# Altium PCB PCB.PcbDoc (part 3 of 10)
Units mil, origin at the board's own origin, x right, y up, seen from the top; angles counter-clockwise.
Board outline 3945.89 x 2165.35 mil, 8 copper layers (Component Side, PWR, Signal 1, Signal 2, GND1, Signal 3, GND2, Solder Side), stack 68.504 mil thick; 329 components, 323 nets, 1378 pads, 692 vias.
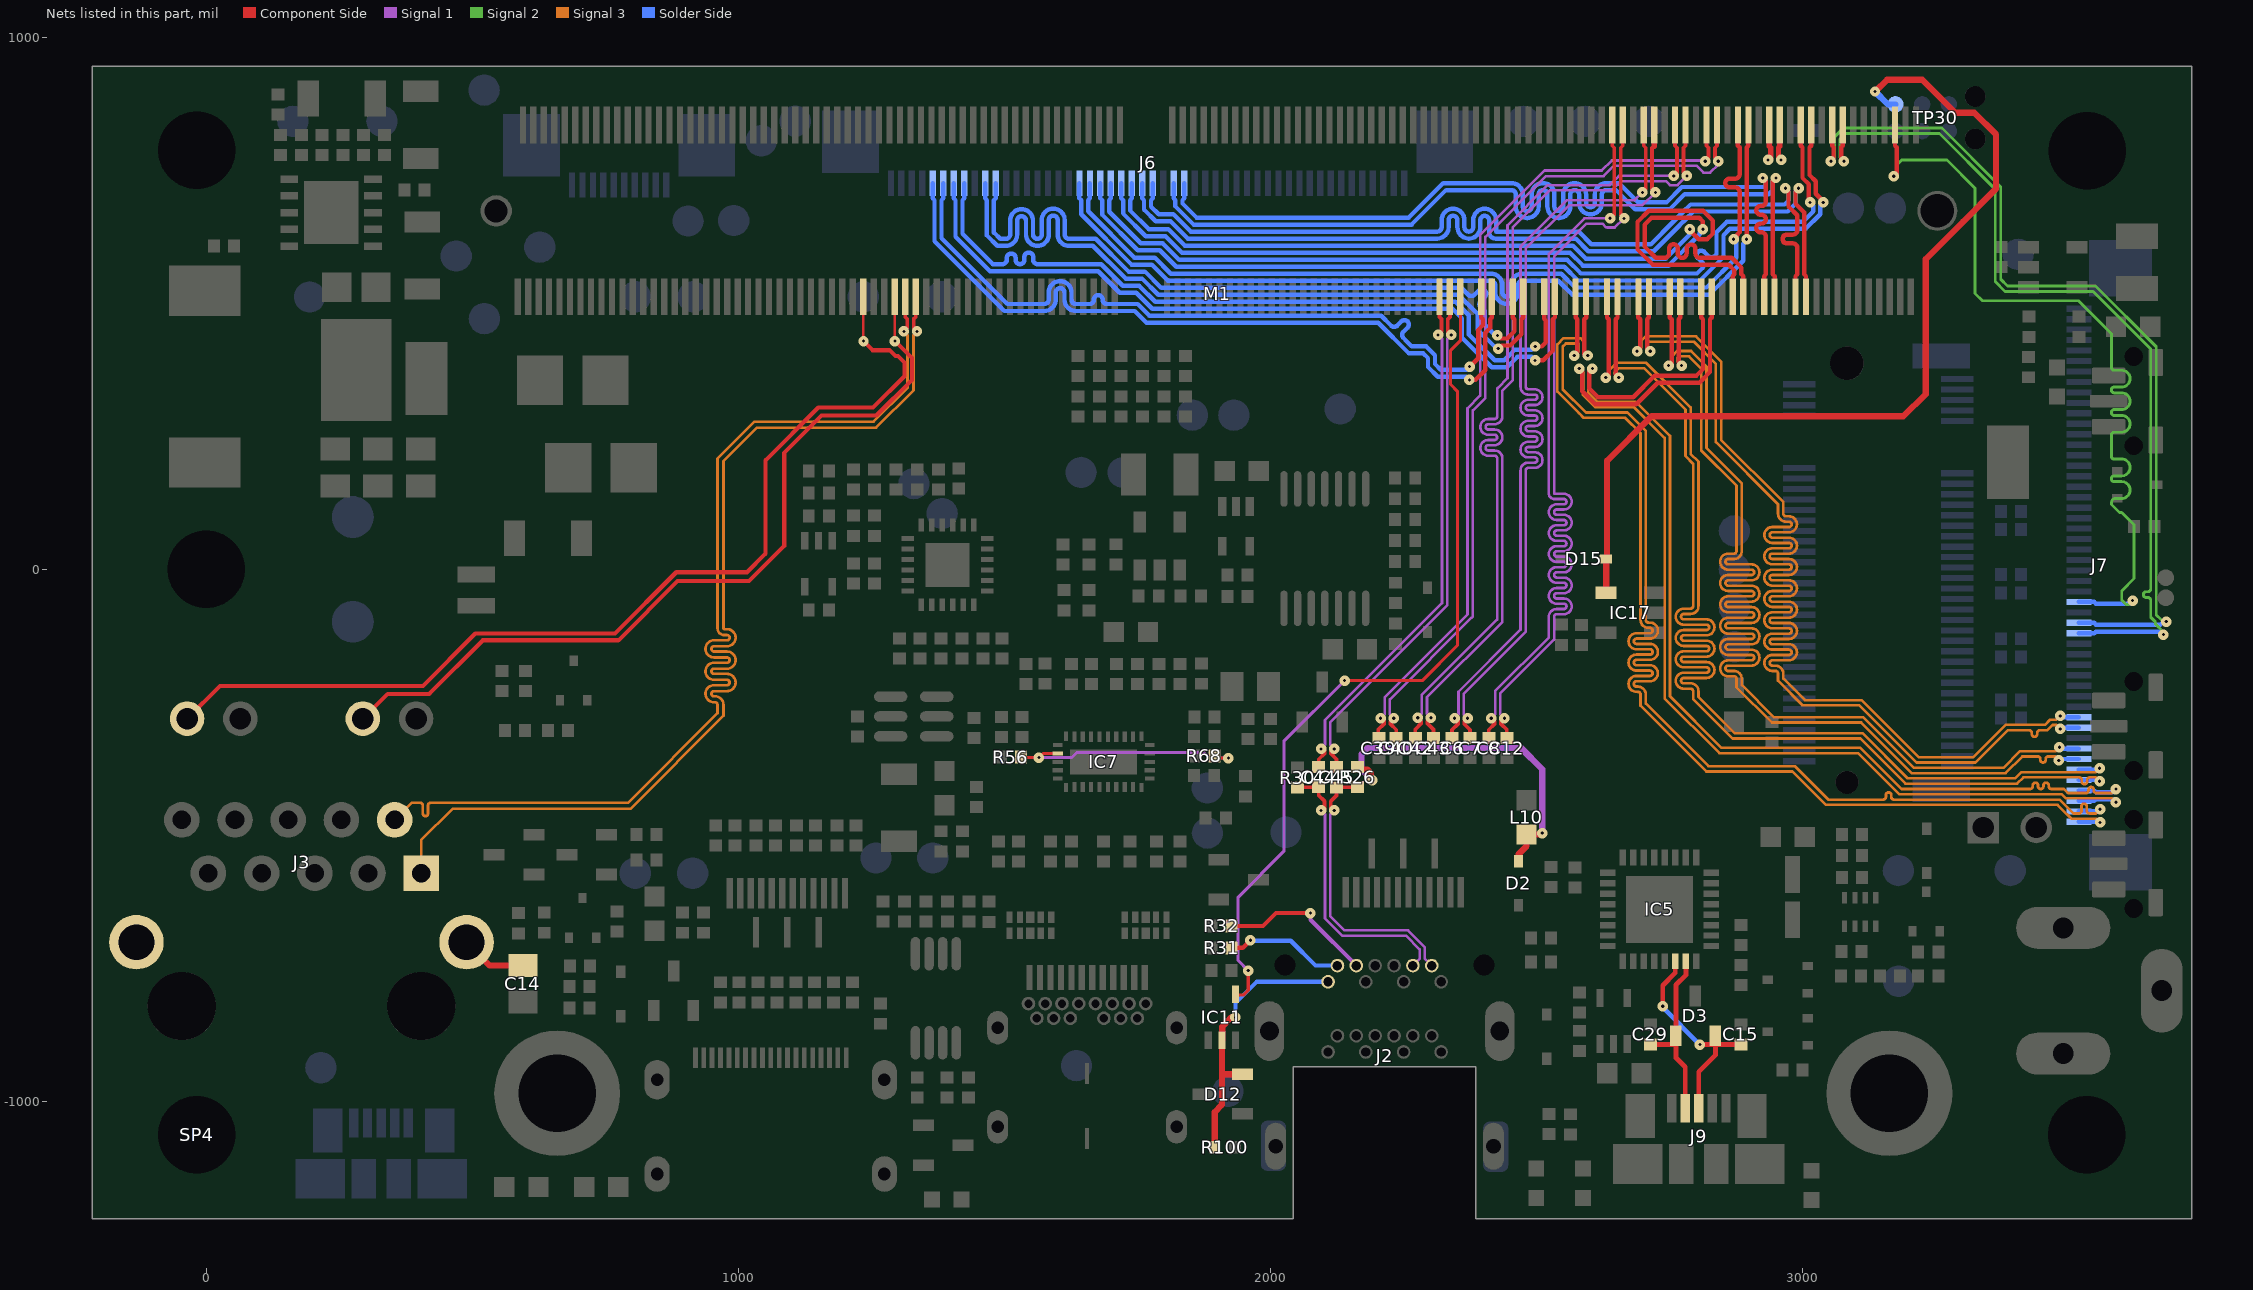
[diagram p9: the nets of this part, all layers, seen from the top]

## Via types
v1: diameter 19.68, hole 5.91, Component Side to Solder Side, 599 vias
v2: diameter 23.62, hole 9.84, Component Side to Solder Side, 90 vias
v3: diameter 19.68, hole 7.87, Component Side to Solder Side, 3 vias

## Nets (pads, with @x,y where several pads share a name; then routed paths per layer and width w, separated by ;. In a path a pad name is that pad's centre, name@x,y a point inside that pad or via, vN(x,y) a via of type N, cw(c..) or ccw(c..) an arc to the next point about the centre after c; other vN are vias at no path point) (continued)
CSI_B_D0_P: J7.22 M1.5 | length 1702.3
  Component Side w8.27: v1(3171.51,738.87) 3177.22,744.58 3177.22,793.01 3173.97,796.25 M1.5@3173.97,835.12
  Signal 2 w5.43: v1(3171.51,738.87) 3178.63,746 3178.63,761.45 3186.57,769.39 3271.55,769.39 3324.49,716.45 3324.49,518.66 3338.32,504.83 3518.46,504.83 3580.47,442.81 3580.47,379.73 ccw(c3585.91,379.73) 3585.91,374.29 3599.89,374.29 cw(c3599.89,358.51) 3615.68,358.51 cw(c3599.89,358.51) 3599.89,342.72 3585.91,342.72 ccw(c3585.91,337.29) 3580.47,337.29 ccw(c3585.91,337.29) 3585.91,331.85 3599.89,331.85 cw(c3599.89,316.07) 3615.68,316.07 cw(c3599.89,316.07) 3599.89,300.28 3585.91,300.28 ccw(c3585.91,294.84) 3580.47,294.84 ccw(c3585.91,294.84) 3585.91,289.41 3599.89,289.41 cw(c3599.89,273.62) 3615.68,273.62 cw(c3599.89,273.62) 3599.89,257.84 3585.91,257.84 ccw(c3585.91,252.4) 3580.47,252.4 3580.47,212.8 ccw(c3585.91,212.8) 3585.91,207.36 3599.89,207.36 cw(c3599.89,191.58) 3615.68,191.58 cw(c3599.89,191.58) 3599.89,175.79 3585.91,175.79 ccw(c3585.91,170.36) 3580.47,170.36 ccw(c3585.91,170.36) 3585.91,164.92 3599.89,164.92 cw(c3599.89,149.14) 3615.68,149.14 cw(c3599.89,149.14) 3599.89,133.35 3588.42,133.35 ccw(c3588.42,125.77) 3580.84,125.77 3580.84,122.18 3596.06,106.95 3599.85,106.95 3623,83.8 3623,-17.4 3600,-40.4 3600,-57.39 3608.42,-65.8 3613.25,-65.8 v1(3620.38,-58.68)
  Solder Side w8.27: J7.22@3519.48,-61.14 3548.22,-61.14 3551.46,-64.39 3614.67,-64.39 v1(3620.38,-58.68)
CSI_B_D1_N: J7.19 M1.15 | length 1701.2
  Component Side w8.27: M1.15@3075.54,835.12 3075.54,796.25 3073.12,793.83 3073.12,771.86 v1(3078,766.98)
  Signal 2 w5.43: v1(3078,766.98) 3070.88,774.1 3070.88,808.92 3080.92,818.96 3257.75,818.96 3362.3,714.41 3362.3,540.84 3380.8,522.35 3546.29,522.35 3654.59,414.04 3654.59,-25.65 3654.59,-31.08 3654.59,-36.51 cw(c3649.16,-36.51) 3649.16,-41.95 3646.01,-41.95 ccw(c3646.01,-47.38) 3640.57,-47.38 ccw(c3646.01,-47.38) 3646.01,-52.81 3649.16,-52.81 cw(c3649.16,-58.25) 3654.59,-58.25 3654.59,-90.05 3663.01,-98.47 3663.01,-102.14 3678.35,-117.48 v1(3678.35,-122.65)
  Solder Side w8.27: J7.19@3519.48,-120.19 3548.22,-120.19 3551.46,-116.94 3672.64,-116.94 v1(3678.35,-122.65)
CSI_B_D1_P: J7.20 M1.17 | length 1701.2
  Component Side w8.27: v1(3053.4,766.98) 3058.28,771.86 3058.28,793.83 3055.86,796.25 M1.17@3055.86,835.12
  Signal 2 w5.43: v1(3053.4,766.98) 3060.52,774.1 3060.52,813.21 3076.63,829.32 3262.04,829.32 3372.66,718.7 3372.66,545.13 3385.09,532.7 3550.58,532.7 3664.95,418.33 3664.95,-85.76 3674.59,-95.4 3681,-95.4 v1(3683.6,-98)
  Solder Side w8.27: J7.20@3519.48,-100.51 3548.22,-100.51 3551.46,-103.76 3672.64,-103.76 3681,-95.4 v1(3683.6,-98)
CSI_C_CLK_N: J7.10 M1.52 | length 2183.6
  Component Side w8.27: M1.52@2711.37,512.29 2711.37,473.25 2708.12,470.01 2708.12,415.67 v1(2713.83,409.96)
  Signal 3 w5.04: v1(2713.83,409.96) 2706.51,417.28 2706.51,425.13 2709.28,427.91 2795.68,427.91 2837.19,386.4 2837.19,239.3 2954.04,122.46 2954.04,104.76 ccw(c2969.04,104.76) 2969.04,89.76 2974.59,89.76 cw(c2974.59,84.72) 2979.63,84.72 cw(c2974.59,84.72) 2974.59,79.68 2943.45,79.68 ccw(c2943.45,64.68) 2928.45,64.68 ; 2928.45,64.68 ccw(c2943.45,64.68) 2943.45,49.68 2974.59,49.68 cw(c2974.59,44.64) 2979.63,44.64 cw(c2974.59,44.64) 2974.59,39.6 2943.45,39.6 ccw(c2943.45,24.6) 2928.45,24.6 ccw(c2943.45,24.6) 2943.45,9.6 2974.59,9.6 cw(c2974.59,4.56) 2979.63,4.56 cw(c2974.59,4.56) 2974.59,-0.48 2943.45,-0.48 ccw(c2943.45,-15.48) 2928.45,-15.48 ccw(c2943.45,-15.48) 2943.45,-30.48 2974.59,-30.48 cw(c2974.59,-35.52) 2979.63,-35.52 cw(c2974.59,-35.52) 2974.59,-40.56 2943.45,-40.56 ccw(c2943.45,-55.56) 2928.45,-55.56 ccw(c2943.45,-55.56) 2943.45,-70.56 2974.59,-70.56 cw(c2974.59,-75.6) 2979.63,-75.6 cw(c2974.59,-75.6) 2974.59,-80.64 2943.45,-80.64 ccw(c2943.45,-95.64) 2928.45,-95.64 ccw(c2943.45,-95.64) 2943.45,-110.64 2974.59,-110.64 cw(c2974.59,-115.68) 2979.63,-115.68 cw(c2974.59,-115.68) 2974.59,-120.72 2943.45,-120.72 ccw(c2943.45,-135.72) 2928.45,-135.72 ccw(c2943.45,-135.72) 2943.45,-150.72 2974.59,-150.72 cw(c2974.59,-155.76) 2979.63,-155.76 cw(c2974.59,-155.76) 2974.59,-160.79 2943.45,-160.79 ccw(c2943.45,-175.79) 2928.45,-175.79 ccw(c2943.45,-175.79) 2943.45,-190.79 2949,-190.79 cw(c2949,-195.83) 2954.04,-195.83 2954.04,-209.17 3000.49,-255.62 3106.87,-255.62 3214.19,-362.94 3325.12,-362.94 3385.89,-302.16 3425.94,-302.16 cw(c3425.94,-307.2) 3430.98,-307.2 3430.98,-309.7 ccw(c3436.02,-309.7) 3436.02,-314.74 ccw(c3436.02,-309.7) 3441.06,-309.7 3441.06,-307.2 cw(c3446.1,-307.2) 3446.1,-302.16 3460.1,-302.16 3469.77,-292.5 3477.16,-292.5 v1(3484.49,-299.82)
  Solder Side w8.27: v1(3484.49,-299.82) 3486.94,-297.36 J7.10@3519.48,-297.36
CSI_C_CLK_P: J7.11 M1.54 | length 2183.6
  Component Side w8.27: v1(2689.22,409.96) 2694.93,415.67 2694.93,470.01 2691.68,473.25 M1.54@2691.68,512.29
  Signal 3 w5.04: v1(2689.22,409.96) 2696.54,417.28 2696.54,429.25 2705.16,437.87 2799.81,437.87 2847.15,390.52 2847.15,243.43 2964,126.59 2964,104.76 ccw(c2969.04,104.76) 2969.04,99.72 2974.59,99.72 cw(c2974.59,84.72) 2989.59,84.72 cw(c2974.59,84.72) 2974.59,69.72 2943.45,69.72 ccw(c2943.45,64.68) 2938.41,64.68 ; 2938.41,64.68 ccw(c2943.45,64.68) 2943.45,59.64 2974.59,59.64 cw(c2974.59,44.64) 2989.59,44.64 cw(c2974.59,44.64) 2974.59,29.64 2943.45,29.64 ccw(c2943.45,24.6) 2938.41,24.6 ccw(c2943.45,24.6) 2943.45,19.56 2974.59,19.56 cw(c2974.59,4.56) 2989.59,4.56 cw(c2974.59,4.56) 2974.59,-10.44 2943.45,-10.44 ccw(c2943.45,-15.48) 2938.41,-15.48 ccw(c2943.45,-15.48) 2943.45,-20.52 2974.59,-20.52 cw(c2974.59,-35.52) 2989.59,-35.52 cw(c2974.59,-35.52) 2974.59,-50.52 2943.45,-50.52 ccw(c2943.45,-55.56) 2938.41,-55.56 ccw(c2943.45,-55.56) 2943.45,-60.6 2974.59,-60.6 cw(c2974.59,-75.6) 2989.59,-75.6 cw(c2974.59,-75.6) 2974.59,-90.6 2943.45,-90.6 ccw(c2943.45,-95.64) 2938.41,-95.64 ccw(c2943.45,-95.64) 2943.45,-100.68 2974.59,-100.68 cw(c2974.59,-115.68) 2989.59,-115.68 cw(c2974.59,-115.68) 2974.59,-130.68 2943.45,-130.68 ccw(c2943.45,-135.72) 2938.41,-135.72 ccw(c2943.45,-135.72) 2943.45,-140.76 2974.59,-140.76 cw(c2974.59,-155.76) 2989.59,-155.76 cw(c2974.59,-155.76) 2974.59,-170.76 2943.45,-170.76 ccw(c2943.45,-175.79) 2938.41,-175.79 ccw(c2943.45,-175.79) 2943.45,-180.83 2949,-180.83 cw(c2949,-195.83) 2964,-195.83 2964,-205.05 3004.61,-245.66 3111,-245.66 3218.31,-352.98 3320.99,-352.98 3381.77,-292.2 3455.98,-292.2 3465.64,-282.53 3477.16,-282.53 v1(3484.49,-275.21)
  Solder Side w8.27: v1(3484.49,-275.21) 3486.94,-277.67 J7.11@3519.48,-277.67
CSI_C_D0_N: J7.7 M1.46 | length 2172.4
  Component Side w8.27: M1.46@2770.42,512.29 2770.42,473.25 2767.17,470.01 2767.17,388.78 v1(2772.88,383.07)
  Signal 3 w5.04: v1(2772.88,383.07) 2765.56,390.39 2765.56,397.28 2768.65,400.37 2786.62,400.37 2809.7,377.3 2809.7,223.92 2875.98,157.64 2875.98,34.56 cw(c2870.94,34.56) 2870.94,29.52 2860.32,29.52 ccw(c2860.32,14.52) 2845.32,14.52 ccw(c2860.32,14.52) 2860.32,-0.48 2904.18,-0.48 cw(c2904.18,-5.52) 2909.22,-5.52 cw(c2904.18,-5.52) 2904.18,-10.56 2860.32,-10.56 ccw(c2860.32,-25.56) 2845.32,-25.56 ccw(c2860.32,-25.56) 2860.32,-40.56 2904.18,-40.56 cw(c2904.18,-45.6) 2909.22,-45.6 cw(c2904.18,-45.6) 2904.18,-50.64 2860.32,-50.64 ccw(c2860.32,-65.64) 2845.32,-65.64 ccw(c2860.32,-65.64) 2860.32,-80.64 2904.18,-80.64 cw(c2904.18,-85.68) 2909.22,-85.68 cw(c2904.18,-85.68) 2904.18,-90.72 2860.32,-90.72 ccw(c2860.32,-105.72) 2845.32,-105.72 ccw(c2860.32,-105.72) 2860.32,-120.72 2904.18,-120.72 cw(c2904.18,-125.76) 2909.22,-125.76 cw(c2904.18,-125.76) 2904.18,-130.8 2860.32,-130.8 ccw(c2860.32,-145.8) 2845.32,-145.8 ccw(c2860.32,-145.8) 2860.32,-160.8 2904.18,-160.8 cw(c2904.18,-165.84) 2909.22,-165.84 cw(c2904.18,-165.84) 2904.18,-170.88 2860.32,-170.88 ccw(c2860.32,-185.88) 2845.32,-185.88 ccw(c2860.32,-185.88) 2860.32,-200.88 2870.94,-200.88 cw(c2870.94,-205.92) 2875.98,-205.92 2875.98,-221.57 2942.3,-287.89 3110.3,-287.89 3205.27,-382.86 3381.77,-382.86 3413.08,-351.55 3431.92,-351.55 3436.96,-351.55 3442,-351.55 cw(c3442,-356.59) 3447.04,-356.59 3447.04,-357.92 ccw(c3452.08,-357.92) 3452.08,-362.95 ccw(c3452.08,-357.92) 3457.12,-357.92 3457.12,-356.59 cw(c3462.15,-356.59) 3462.15,-351.55 3466.67,-351.55 3475.57,-351.55 3482.89,-358.87 v1(3481.72,-358.87)
  Solder Side w8.27: v1(3481.72,-358.87) 3482.89,-358.87 3485.36,-356.41 J7.7@3519.48,-356.41
CSI_C_D0_P: J7.8 M1.48 | length 2172.4
  Component Side w8.27: v1(2748.28,383.07) 2753.99,388.78 2753.99,470.01 2750.74,473.25 M1.48@2750.74,512.29
  Signal 3 w5.04: v1(2748.28,383.07) 2755.6,390.39 2755.6,401.41 2764.52,410.33 2790.75,410.33 2819.66,381.43 2819.66,228.05 2885.94,161.76 2885.94,34.56 cw(c2870.94,34.56) 2870.94,19.56 2860.32,19.56 ccw(c2860.32,14.52) 2855.28,14.52 ccw(c2860.32,14.52) 2860.32,9.48 2904.18,9.48 cw(c2904.18,-5.52) 2919.18,-5.52 cw(c2904.18,-5.52) 2904.18,-20.52 2860.32,-20.52 ccw(c2860.32,-25.56) 2855.28,-25.56 ccw(c2860.32,-25.56) 2860.32,-30.6 2904.18,-30.6 cw(c2904.18,-45.6) 2919.18,-45.6 cw(c2904.18,-45.6) 2904.18,-60.6 2860.32,-60.6 ccw(c2860.32,-65.64) 2855.28,-65.64 ccw(c2860.32,-65.64) 2860.32,-70.68 2904.18,-70.68 cw(c2904.18,-85.68) 2919.18,-85.68 cw(c2904.18,-85.68) 2904.18,-100.68 2860.32,-100.68 ccw(c2860.32,-105.72) 2855.28,-105.72 ccw(c2860.32,-105.72) 2860.32,-110.76 2904.18,-110.76 cw(c2904.18,-125.76) 2919.18,-125.76 cw(c2904.18,-125.76) 2904.18,-140.76 2860.32,-140.76 ccw(c2860.32,-145.8) 2855.28,-145.8 ccw(c2860.32,-145.8) 2860.32,-150.84 2904.18,-150.84 cw(c2904.18,-165.84) 2919.18,-165.84 cw(c2904.18,-165.84) 2904.18,-180.84 2860.32,-180.84 ccw(c2860.32,-185.88) 2855.28,-185.88 ccw(c2860.32,-185.88) 2860.32,-190.92 2870.94,-190.92 cw(c2870.94,-205.92) 2885.94,-205.92 2885.94,-217.45 2946.43,-277.93 3114.43,-277.93 3209.39,-372.9 3377.64,-372.9 3408.95,-341.59 3475.57,-341.59 v1(3482.89,-334.27)
  Solder Side w8.27: v1(3482.89,-334.27) 3485.36,-336.73 J7.8@3519.48,-336.73
CSI_C_D1_N: J7.5 M1.58 | length 2153.6
  Component Side w8.27: M1.58@2652.31,512.29 2652.31,473.25 2649.06,470.01 2649.06,366.29 v1(2654.77,360.59)
  Signal 3 w5.04: v1(2654.77,360.59) 2647.45,367.91 2647.45,370.7 2654.94,378.19 2702.27,378.19 2780,300.47 2780,213.11 2794.6,198.51 2794.6,-68.76 cw(c2789.56,-68.76) 2789.56,-73.8 2776.87,-73.8 ccw(c2776.87,-88.8) 2761.87,-88.8 ccw(c2776.87,-88.8) 2776.87,-103.8 2819.56,-103.8 cw(c2819.56,-108.84) 2824.6,-108.84 cw(c2819.56,-108.84) 2819.56,-113.88 2776.87,-113.88 ccw(c2776.87,-128.88) 2761.87,-128.88 ccw(c2776.87,-128.88) 2776.87,-143.88 2819.56,-143.88 cw(c2819.56,-148.92) 2824.6,-148.92 cw(c2819.56,-148.92) 2819.56,-153.96 2776.87,-153.96 ccw(c2776.87,-168.96) 2761.87,-168.96 ccw(c2776.87,-168.96) 2776.87,-183.96 2819.56,-183.96 cw(c2819.56,-189) 2824.6,-189 cw(c2819.56,-189) 2819.56,-194.04 2776.87,-194.04 ccw(c2776.87,-209.04) 2761.87,-209.04 ccw(c2776.87,-209.04) 2776.87,-224.04 2789.56,-224.04 cw(c2789.56,-229.07) 2794.6,-229.07 2794.6,-243.86 2868.52,-317.78 3108.72,-317.78 3193.72,-402.78 3403.53,-402.78 3415.38,-390.92 3477.11,-390.92 3519.8,-390.92 cw(c3519.8,-395.96) 3524.84,-395.96 3524.84,-398.46 ccw(c3529.88,-398.46) 3529.88,-403.5 ccw(c3529.88,-398.46) 3534.92,-398.46 3534.92,-395.96 cw(c3539.96,-395.96) 3539.96,-390.92 3550.98,-390.92 v1(3558.3,-398.24)
  Solder Side w8.27: J7.5@3519.48,-395.78 3555.84,-395.78 v1(3558.3,-398.24)
CSI_C_D1_P: J7.6 M1.60 | length 2153.6
  Component Side w8.27: v1(2630.17,360.59) 2635.88,366.29 2635.88,470.01 2632.63,473.25 M1.60@2632.63,512.29
  Signal 3 w5.04: v1(2630.17,360.59) 2637.49,367.91 2637.49,374.83 2650.82,388.15 2706.4,388.15 2789.96,304.59 2789.96,217.24 2804.56,202.64 2804.56,-68.76 cw(c2789.56,-68.76) 2789.56,-83.76 2776.87,-83.76 ccw(c2776.87,-88.8) 2771.84,-88.8 ccw(c2776.87,-88.8) 2776.87,-93.84 2819.56,-93.84 cw(c2819.56,-108.84) 2834.56,-108.84 cw(c2819.56,-108.84) 2819.56,-123.84 2776.87,-123.84 ccw(c2776.87,-128.88) 2771.84,-128.88 ccw(c2776.87,-128.88) 2776.87,-133.92 2819.56,-133.92 cw(c2819.56,-148.92) 2834.56,-148.92 cw(c2819.56,-148.92) 2819.56,-163.92 2776.87,-163.92 ccw(c2776.87,-168.96) 2771.84,-168.96 ccw(c2776.87,-168.96) 2776.87,-174 2819.56,-174 cw(c2819.56,-189) 2834.56,-189 cw(c2819.56,-189) 2819.56,-204 2776.87,-204 ccw(c2776.87,-209.04) 2771.84,-209.04 ccw(c2776.87,-209.04) 2776.87,-214.07 2789.56,-214.07 cw(c2789.56,-229.07) 2804.56,-229.07 2804.56,-239.73 2872.65,-307.82 3112.85,-307.82 3197.85,-392.82 3399.4,-392.82 3411.26,-380.96 3550.98,-380.96 v1(3558.3,-373.64)
  Solder Side w8.27: J7.6@3519.48,-376.1 3555.84,-376.1 v1(3558.3,-373.64)
CSI_D_D0_N: J7.3 M1.40 | length 2193.5
  Component Side w8.27: v1(2580.47,377.27) 2585.92,371.82 2585.92,334.66 2610.09,310.49 2687.5,310.49 2727.99,350.98 2806.27,350.98 2826.23,370.94 2826.23,470.01 2829.48,473.25 M1.40@2829.48,512.29
  Signal 3 w5.04: v1(2580.47,377.27) 2587.37,370.37 2587.37,327.97 2590.29,325.05 2610.6,304.73 2647.49,304.73 2683.03,304.73 2740.94,246.82 2740.94,-242.51 2843.75,-345.32 3104.61,-345.32 3181.99,-422.7 3487.38,-422.7 3494.97,-430.29 3581.57,-430.29 v1(3588.9,-437.61)
  Solder Side w8.27: J7.3@3519.48,-435.15 3548.22,-435.15 3551.46,-431.9 3583.19,-431.9 v1(3588.9,-437.61)
CSI_D_D0_P: J7.4 M1.42 | length 2177.5
  Component Side w8.27: v1(2605.08,377.27) 2599.63,371.82 2599.63,339.6 2615.55,323.68 2682.04,323.68 2722.52,364.17 2800.81,364.17 2813.04,376.4 2813.04,470.01 2809.79,473.25 M1.42@2809.79,512.29
  Signal 3 w5.04: v1(2605.08,377.27) 2597.33,369.52 2597.33,332.09 2614.73,314.69 2647.49,314.69 2687.16,314.69 2750.9,250.95 2750.9,-238.39 2847.88,-335.36 3108.74,-335.36 3186.12,-412.74 3427.61,-412.74 ccw(c3427.61,-407.7) 3432.65,-407.7 3432.65,-405.92 cw(c3437.69,-405.92) 3437.69,-400.88 cw(c3437.69,-405.92) 3442.73,-405.92 3442.73,-407.7 ccw(c3447.77,-407.7) 3447.77,-412.74 ccw(c3447.77,-407.7) 3452.81,-407.7 3452.81,-405.92 cw(c3457.85,-405.92) 3457.85,-400.88 cw(c3457.85,-405.92) 3462.89,-405.92 3462.89,-407.7 ccw(c3467.93,-407.7) 3467.93,-412.74 3472.97,-412.74 3483.05,-412.74 3491.5,-412.74 3499.09,-420.33 3509.63,-420.33 3517.35,-420.33 3527.43,-420.33 3532.47,-420.33 ccw(c3532.47,-415.29) 3537.51,-415.29 3537.51,-414.05 cw(c3542.54,-414.05) 3542.54,-409.01 cw(c3542.54,-414.05) 3547.58,-414.05 3547.58,-415.29 ccw(c3552.62,-415.29) 3552.62,-420.33 3557.66,-420.33 3562.7,-420.33 3581.57,-420.33 v1(3588.9,-413.01)
  Solder Side w8.27: J7.4@3519.48,-415.47 3548.22,-415.47 3551.46,-418.72 3583.19,-418.72 v1(3588.9,-413.01)
CSI_D_D1_N: J7.1 M1.64 | length 2194.5
  Component Side w8.27: v1@2590.01,405.58 2590.01,470.01 2593.26,473.25 M1.64@2593.26,512.29
  Signal 3 w5.04: v1(2596.33,402) 2588.7,409.63 2588.7,428.61 2582.87,434.44 2551.16,434.44 2539.29,422.57 2539.29,334.45 2579.82,293.92 2588.93,284.81 2666.89,284.81 2695.7,256 2695.7,-94.96 ccw(c2710.7,-94.96) 2710.7,-109.96 2713.3,-109.96 cw(c2713.3,-115) 2718.34,-115 cw(c2713.3,-115) 2713.3,-120.04 2688.06,-120.04 ccw(c2688.06,-135.04) 2673.06,-135.04 ccw(c2688.06,-135.04) 2688.06,-150.04 2713.3,-150.04 cw(c2713.3,-155.08) 2718.34,-155.08 cw(c2713.3,-155.08) 2713.3,-160.12 2688.06,-160.12 ccw(c2688.06,-175.12) 2673.06,-175.12 ccw(c2688.06,-175.12) 2688.06,-190.12 2713.3,-190.12 cw(c2713.3,-195.16) 2718.34,-195.16 cw(c2713.3,-195.16) 2713.3,-200.2 2688.06,-200.2 ccw(c2688.06,-215.2) 2673.06,-215.2 ccw(c2688.06,-215.2) 2688.06,-230.2 2690.66,-230.2 cw(c2690.66,-235.23) 2695.7,-235.23 2695.7,-256.13 2819.26,-379.69 2981.37,-379.69 3044.3,-442.62 3479.13,-442.62 3485.96,-449.46 3505.17,-468.67 3552.57,-468.67 v1(3559.33,-475.43)
  Solder Side w8.27: J7.1@3519.48,-474.52 3558.85,-474.52 v1@3562.71,-478.38
CSI_D_D1_P: J7.2 M1.66 | length 2194.5
  Component Side w8.27: v1(2571.11,401.87) 2576.82,407.58 2576.82,470.01 2573.57,473.25 M1.66@2573.57,512.29
  Signal 3 w5.04: v1(2571.11,401.87) 2578.74,409.5 2578.74,424.48 2555.29,424.48 2549.25,418.45 2549.25,338.58 2593.06,294.77 2671.01,294.77 2705.66,260.13 2705.66,-94.96 ccw(c2710.7,-94.96) 2710.7,-100 2713.3,-100 cw(c2713.3,-115) 2728.3,-115 cw(c2713.3,-115) 2713.3,-130 2688.06,-130 ccw(c2688.06,-135.04) 2683.02,-135.04 ccw(c2688.06,-135.04) 2688.06,-140.08 2713.3,-140.08 cw(c2713.3,-155.08) 2728.3,-155.08 cw(c2713.3,-155.08) 2713.3,-170.08 2688.06,-170.08 ccw(c2688.06,-175.12) 2683.02,-175.12 ccw(c2688.06,-175.12) 2688.06,-180.16 2713.3,-180.16 cw(c2713.3,-195.16) 2728.3,-195.16 cw(c2713.3,-195.16) 2713.3,-210.16 2688.06,-210.16 ccw(c2688.06,-215.2) 2683.02,-215.2 ccw(c2688.06,-215.2) 2688.06,-220.23 2690.66,-220.23 cw(c2690.66,-235.23) 2705.66,-235.23 2705.66,-252.01 2823.38,-369.73 2985.49,-369.73 3048.43,-432.66 3131.61,-432.66 3136.65,-432.66 3146.73,-432.66 3151.77,-432.66 ccw(c3151.77,-427.62) 3156.81,-427.62 3156.81,-424.21 cw(c3161.85,-424.21) 3161.85,-419.17 cw(c3161.85,-424.21) 3166.89,-424.21 3166.89,-427.62 ccw(c3171.93,-427.62) 3171.93,-432.66 3238,-432.66 3483.25,-432.66 3493.01,-442.42 3509.3,-458.71 3519.25,-458.71 ccw(c3519.25,-453.67) 3524.29,-453.67 3524.29,-445.29 cw(c3529.33,-445.29) 3529.33,-440.25 cw(c3529.33,-445.29) 3534.37,-445.29 3534.37,-453.67 ccw(c3539.41,-453.67) 3539.41,-458.71 3544.45,-458.71 3544.56,-458.71 3551.55,-458.71 v1(3559.44,-450.83)
  Solder Side w8.27: J7.2@3519.48,-454.84 3556.97,-454.84 v1@3559.44,-452.38
CSI_E_CLK_N: J6.28 M1.28 | length 1714.8
  Component Side w8.27: M1.28@2947.59,512.29 2947.59,551.25 2944.34,554.5 2944.34,729.84 v1(2950.05,735.55)
  Solder Side w8.27: J6.28@1818.31,725.63 1818.31,697.25 1821.56,694 1821.56,682.2 1855.72,648.04 2265.39,648.04 2330.16,712.81 2452.95,712.81 cw(c2452.95,704.54) 2461.22,704.54 2461.22,681.74 ccw(c2482.67,681.74) 2482.67,660.29 ccw(c2482.67,681.74) 2504.13,681.74 2504.13,704.54 cw(c2512.4,704.54) 2512.4,712.81 cw(c2512.4,704.54) 2520.66,704.54 2520.66,681.74 ccw(c2542.12,681.74) 2542.12,660.29 ccw(c2542.12,681.74) 2563.58,681.74 2563.58,704.54 cw(c2571.85,704.54) 2571.85,712.81 cw(c2571.85,704.54) 2580.11,704.54 2580.11,688.9 ccw(c2601.57,688.9) 2601.57,667.44 ccw(c2601.57,688.9) 2623.03,688.9 2623.03,704.54 cw(c2631.29,704.54) 2631.29,712.81 2649.48,712.81 2685.77,676.52 2749.93,676.52 2778.8,705.4 2936.61,705.4 2944.34,713.12 2944.34,729.84 v1(2950.05,735.55)
CSI_E_CLK_P: J6.29 M1.30 | length 1714.8
  Component Side w8.27: v1(2925.44,735.55) 2931.15,729.84 2931.15,707.88 2931.15,699.61 2931.15,691.34 cw(c2922.88,691.34) 2922.88,683.08 2921.4,683.08 ccw(c2921.4,674.81) 2913.13,674.81 ccw(c2921.4,674.81) 2921.4,666.54 2922.88,666.54 cw(c2922.88,658.27) 2931.15,658.27 cw(c2922.88,658.27) 2922.88,650.01 2921.4,650.01 ccw(c2921.4,641.74) 2913.13,641.74 ccw(c2921.4,641.74) 2921.4,633.47 2922.88,633.47 cw(c2922.88,625.2) 2931.15,625.2 2931.15,573.03 2931.15,554.5 2927.9,551.25 M1.30@2927.9,512.29
  Solder Side w8.27: J6.29@1838,725.63 1838,697.25 1834.75,694 1834.75,687.67 1861.19,661.23 2259.93,661.23 2324.7,726 2452.95,726 cw(c2452.95,704.54) 2474.4,704.54 2474.4,681.74 ccw(c2482.67,681.74) 2482.67,673.48 ccw(c2482.67,681.74) 2490.94,681.74 2490.94,704.54 cw(c2512.4,704.54) 2512.4,726 cw(c2512.4,704.54) 2533.85,704.54 2533.85,681.74 ccw(c2542.12,681.74) 2542.12,673.48 ccw(c2542.12,681.74) 2550.39,681.74 2550.39,704.54 cw(c2571.85,704.54) 2571.85,726 cw(c2571.85,704.54) 2593.3,704.54 2593.3,688.9 ccw(c2601.57,688.9) 2601.57,680.63 ccw(c2601.57,688.9) 2609.84,688.9 2609.84,704.54 cw(c2631.29,704.54) 2631.29,726 2654.94,726 2691.24,689.71 2744.46,689.71 2773.34,718.58 2931.15,718.58 2931.15,729.84 v1(2925.44,735.55)
CSI_E_D0_N: J6.25 M1.22 | length 1715.2
  Component Side w8.27: v1(2992.66,716.34) 2986.95,710.63 2986.95,687.24 3003.4,670.8 3003.4,554.5 3006.64,551.25 M1.22@3006.65,512.29